# Allegro board HB1A-AAFM.brd (continued)
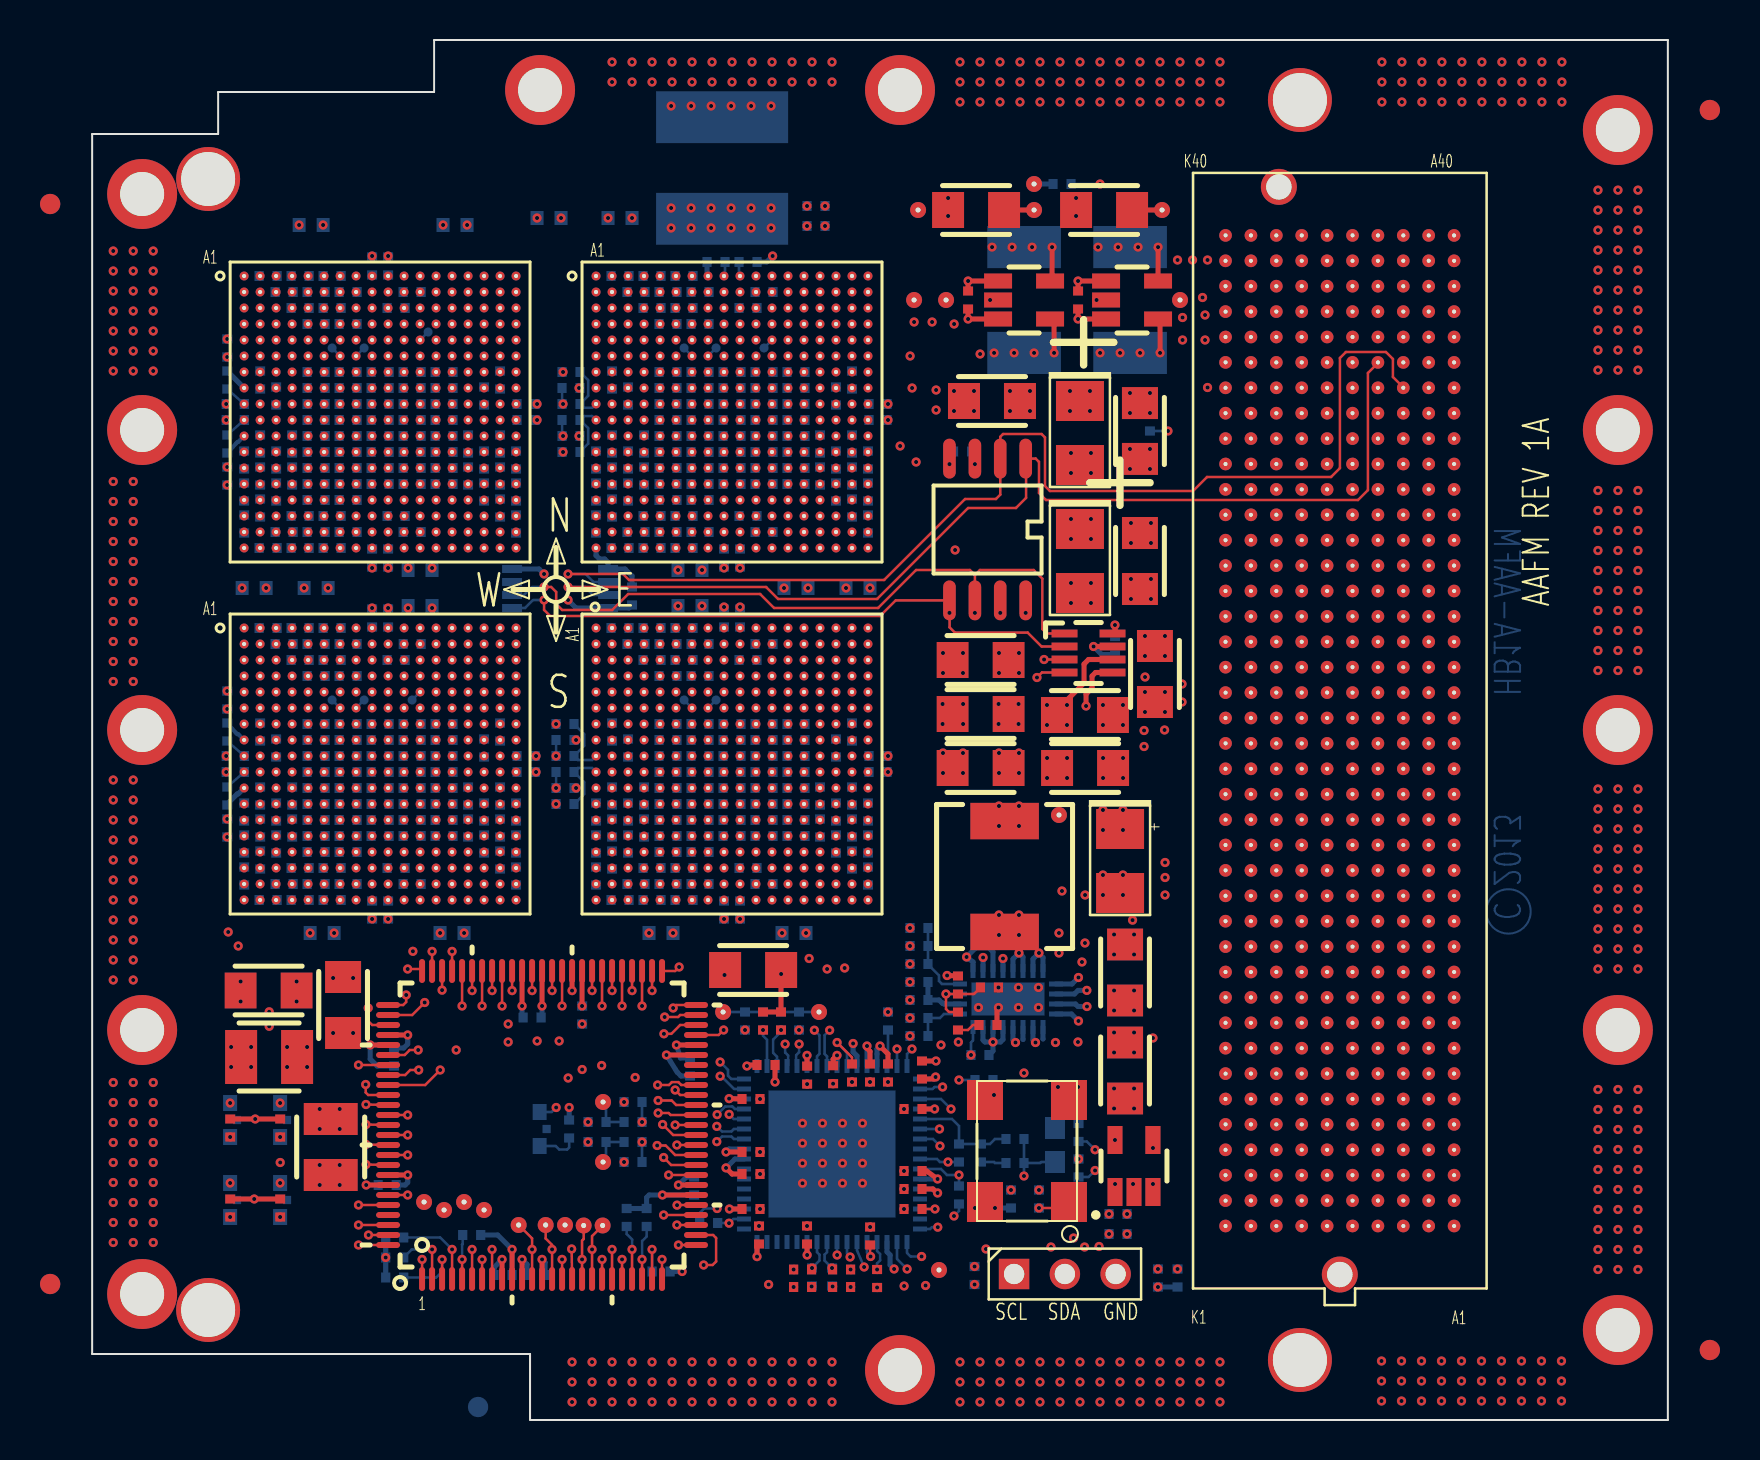
[diagram p0: board, top side]
## Routing (per net, layer and track width the routed paths; a pad name or vN(x,y) marks a point on that pad's centre or on a via; arc(x,y) is an arc through that point) (continued)
LR_LL_WE_WR_WAIT_N: length 31.6
  SIGNAL_L12-X w0.089: U8.J3 27,32.8 27.2,32.61 27.2,31.4 27.4,31.2 27.8,31.2 27.98,31.02 27.98,25.79 27.53,25.33 26.83,25.33 25.69,24.19 19.56,24.19 18.85,24.9 17.7,24.9 17,25.6 16.2,25.6 16,25.8 16,31 16.2,31.2 16.6,31.2 16.8,31.4 16.8,31.8 17,32 17.41,32 17.6,32.2 17.6,32.6 17.8,32.8 19.2,32.8 U7.K16
LR_LL_WE_WR_WAIT_P: length 31.4
  SIGNAL_L5-X w0.114: U7.L16 19.2,31.4 19,31.2 17.82,31.2 17.6,30.98 17.6,25.61 17.8,25.41 17.8,24.8 18,24.6 18.2,24.6 18.3,24.7 18.3,25 18.4,25.09 19,25.09 19.28,24.8 19.28,23.93 19.67,23.54 26.25,23.54 27.2,24.49 27.2,24.89 27.32,25.02 27.59,25.02 27.7,25.14 27.7,25.38 27.59,25.5 27.32,25.5 27.2,25.61 27.2,28.6 27.4,28.8 27.8,28.8 28,29 28,30.2 27.8,30.4 27.4,30.4 27.2,30.6 27.2,33.6 U8.H3
LR_RESET_L: length 38.9
  TOP w0.127: U9.5 v1(18.5,8.03)
  SIGNAL_L4-Y w0.114: TP24.1 19.6,11.6 23,15 23.89,15 25.35,16.46 26.49,16.46 v1(27.16,17.12)
  SIGNAL_L11-Y w0.089: v1(18.5,8.03) 18.5,8.7 19.6,9.8 TP24.1
  SIGNAL_L12-X w0.089: v1(27.16,17.12) 27.66,17.12 28.08,17.55 30.25,17.55 31.03,18.32 31.03,22.43 33.6,25 33.6,35 33.41,35.2 U8.F11
  BOTTOM w0.127: v1(18.5,8.03) 18.5,8.77 18.53,8.8 R195.2
LR_RXI_EA_DATA_N_0: length 44.3
  SIGNAL_L15-X w0.114: U8.T18 42.05,27.6 42.63,27.02 42.85,27.02 42.97,27.14 42.97,27.91 43.09,28.02 43.33,28.02 43.45,27.91 43.45,27.14 43.57,27.02 43.81,27.02 43.93,27.14 43.93,27.91 44.05,28.02 44.29,28.02 44.41,27.91 44.41,27.14 44.53,27.02 44.77,27.02 44.89,27.14 44.89,27.91 45.01,28.02 45.25,28.02 45.37,27.91 45.37,27.14 45.49,27.02 45.73,27.02 45.85,27.14 45.85,27.91 45.97,28.02 46.21,28.02 46.33,27.91 46.33,27.14 46.45,27.02 46.69,27.02 46.81,27.14 46.81,27.91 46.93,28.02 47.17,28.02 47.29,27.91 47.29,27.14 47.41,27.02 47.65,27.02 47.77,27.14 47.77,27.91 47.89,28.02 48.13,28.02 48.25,27.91 48.25,27.14 48.37,27.02 48.93,27.02 49.25,26.7 52.35,26.7 52.66,27 52.66,27.78 52.53,27.9 50.9,27.9 50.78,28.02 50.78,28.26 50.9,28.38 52.53,28.38 52.66,28.5 52.66,28.88 55.66,31.88 56.94,31.88 57.44,32.38 57.44,39.66 57.95,40.17 P1.J25
LR_RXI_EA_DATA_N_1: length 44.3
  SIGNAL_L5-X w0.114: P1.F23 61.19,38.21 55.83,38.21 55.13,37.51 55.13,35.19 55.01,35.07 54.38,35.07 54.25,34.95 54.25,34.71 54.38,34.59 55.01,34.59 55.13,34.47 55.13,34.12 55.01,34 54.38,34 54.25,33.88 54.25,33.64 54.38,33.52 55.01,33.52 55.13,33.4 55.13,33 53.75,31.62 53.75,28.65 52.8,27.7 50.67,27.7 50.55,27.82 50.55,28 50.43,28.12 50.19,28.12 50.07,28 50.07,27.82 49.95,27.7 49.71,27.7 49.59,27.82 49.59,28 49.47,28.12 49.23,28.12 49.11,28 49.11,27.82 48.99,27.7 48.75,27.7 48.63,27.82 48.63,28 48.51,28.12 48.27,28.12 48.15,28 48.15,27.82 48.03,27.7 47.32,27.7 47.2,27.58 47.2,26.87 47.08,26.75 46.84,26.75 46.72,26.87 46.72,27.58 46.6,27.7 46.36,27.7 46.24,27.58 46.24,26.87 46.12,26.75 45.88,26.75 45.76,26.87 45.76,27.58 45.64,27.7 45.4,27.7 45.28,27.58 45.28,26.87 45.16,26.75 44.92,26.75 44.8,26.87 44.8,27.58 44.68,27.7 44.44,27.7 44.32,27.58 44.32,26.87 44.2,26.75 43.96,26.75 43.84,26.87 43.84,27.58 43.72,27.7 41.73,27.7 41.23,28.2 40.1,28.2 39.91,28 38.4,28 U8.R17
LR_RXI_EA_DATA_N_2: length 44.3
  SIGNAL_L5-X w0.114: P1.E22 62.24,37.16 55.62,37.16 55.43,36.97 55.43,32.77 54.1,31.45 54.1,27 53.84,26.73 49.32,26.73 49.13,26.93 48,26.93 47.3,26.23 43.32,26.23 43.2,26.34 43.2,27.13 43.08,27.25 42.84,27.25 42.72,27.13 42.72,26.34 42.6,26.23 42.36,26.23 42.24,26.34 42.24,27.13 42.12,27.25 41.88,27.25 41.76,27.13 41.76,26.34 41.64,26.23 41.23,26.23 40.94,26.51 40.94,27.63 40.82,27.75 40.58,27.75 40.46,27.63 40.46,26.84 40.34,26.73 40.1,26.73 39.98,26.84 39.98,27.63 39.86,27.75 39.49,27.75 38.96,27.21 37.84,27.21 37.61,27.44 37.61,27.47 37.58,27.5 37.58,28.82 U8.P16
LR_RXI_EA_DATA_N_3: length 44.3
  SIGNAL_L5-X w0.114: P1.F26 61.26,41.95 55.78,41.95 55.66,42.07 55.66,42.63 55.54,42.75 55.3,42.75 55.18,42.63 55.18,42.07 55.06,41.95 54.82,41.95 54.7,42.07 54.7,42.63 54.58,42.75 54.34,42.75 54.22,42.63 54.22,42.07 54.1,41.95 53.75,41.95 52.98,42.73 48.58,42.73 48.25,42.4 48.25,40.07 48.38,39.95 48.81,39.95 48.93,39.83 48.93,39.59 48.81,39.47 48.38,39.47 48.25,39.35 48.25,39.11 48.38,38.99 48.81,38.99 48.93,38.87 48.93,38.63 48.81,38.51 48.38,38.51 48.25,38.39 48.25,38.15 48.38,38.03 48.81,38.03 48.93,37.91 48.93,37.67 48.81,37.55 48.38,37.55 48.25,37.43 48.25,37.19 48.38,37.07 48.81,37.07 48.93,36.95 48.93,36.71 48.81,36.59 48.38,36.59 48.25,36.47 48.25,31.75 47.83,31.32 43.91,31.32 43.68,31.1 42.38,31.1 42.09,30.81 39.59,30.81 39.16,30.39 36.78,30.39 U8.N15
LR_RXI_EA_DATA_N_4: length 44.5
  SIGNAL_L5-X w0.114: P1.E25 62.48,39.62 54.53,39.62 53.66,40.5 50.38,40.5 49.53,39.65 49.53,38.28 49.65,38.16 51.26,38.16 51.38,38.05 51.38,37.8 51.26,37.69 50.76,37.69 50.64,37.56 50.64,37.02 50.52,36.9 50.28,36.9 50.16,37.02 50.16,37.56 50.04,37.69 49.65,37.69 49.53,37.56 49.53,36.62 50.1,36.05 50.1,35.06 49.98,34.94 49.62,34.94 49.5,34.82 49.5,34.58 49.62,34.46 49.98,34.46 50.1,34.34 50.1,34.1 49.98,33.98 49.62,33.98 49.5,33.86 49.5,33.62 49.62,33.5 49.98,33.5 50.1,33.38 50.1,29.1 49.78,28.77 47.68,28.77 47.08,29.38 47.08,29.9 46.83,30.15 44.88,30.15 44.35,29.62 42.43,29.62 42,29.2 U8.P18
LR_RXI_EA_DATA_N_5: length 44.6
  SIGNAL_L4-Y w0.114: P1.K29 55.21,45.26 54.3,44.35 52.58,44.35 52.41,44.17 52.41,40.25 52.03,39.88 52.03,31.77 51.83,31.57 50.48,31.57 49.66,30.75 v1(49.66,26.25)
  SIGNAL_L8-X w0.089: v1(49.66,26.25) 48.91,27 48.2,27 47.98,26.77 47.98,25.12 47.68,24.82 44.45,24.82 44.05,25.23 42.95,25.23 42.86,25.14 42.86,24.71 42.78,24.62 42.6,24.62 42.51,24.71 42.51,25.14 42.42,25.23 42.24,25.23 42.15,25.14 42.15,24.71 42.06,24.62 41.89,24.62 41.8,24.71 41.8,25.14 41.71,25.23 40.25,25.23 39.78,25.7 39.78,29.15 39.3,29.62 38.38,29.62 U8.N17
LR_RXI_EA_DATA_N_6: length 44.3
  SIGNAL_L4-Y w0.114: P1.J28 57.46,43.5 55.86,43.5 55.63,43.27 55.63,28.73 55.33,28.43 53.35,28.43 53.16,28.23 53.16,26.75 v1(53.66,26.25)
  SIGNAL_L8-X w0.089: U8.M16 37.62,30.38 39.43,30.38 40.1,29.7 40.1,26.15 40.5,25.75 47.25,25.75 47.55,26.05 47.55,26.95 47.98,27.38 49.28,27.38 49.91,26.75 53.16,26.75 v1(53.66,26.25)
LR_RXI_EA_DATA_N_7: length 44.4
  SIGNAL_L15-X w0.114: U8.L15 36.78,31.21 39.07,31.21 39.48,31.62 52.94,31.62 55.68,34.36 55.68,39.17 54.78,40.08 54.78,41.27 54.66,41.39 54.3,41.39 54.18,41.51 54.18,41.75 54.3,41.87 54.66,41.87 54.78,41.99 54.78,45.58 56.25,47.05 58.45,47.05 58.66,47.25 59.66,47.25 59.88,47.48 59.88,48.15 60.1,48.38 60.88,48.38 61.13,48.12 61.13,45.9 61.42,45.61 61.42,45.6 P1.F29
LR_RXI_EA_DATA_P_0: length 44.4
  SIGNAL_L15-X w0.114: P1.J24 58.48,38.38 62.16,38.38 62.41,38.12 62.41,28.38 62.16,28.12 55.41,28.12 55.03,28.5 54.35,28.5 54.13,28.27 54.13,25.85 53.73,25.45 51.48,25.45 50.8,24.77 42.08,24.77 40.81,26.04 40.64,26.04 39.95,25.35 39.78,25.35 39.61,25.52 39.61,25.69 40.3,26.38 40.3,26.55 40.05,26.8 U8.U18
LR_RXI_EA_DATA_P_1: length 44.3
  SIGNAL_L15-X w0.114: U8.T17 38.38,27.21 40.74,27.21 41.03,26.92 41.2,26.92 41.59,27.31 41.77,27.31 41.94,27.14 41.94,26.97 41.54,26.58 41.54,26.41 42.3,25.65 42.8,25.65 42.92,25.77 42.92,26.55 43.04,26.68 43.28,26.68 43.4,26.55 43.4,25.77 43.52,25.65 43.76,25.65 43.88,25.77 43.88,26.55 44,26.68 44.24,26.68 44.36,26.55 44.36,25.77 44.48,25.65 44.72,25.65 44.84,25.77 44.84,26.55 44.96,26.68 45.2,26.68 45.32,26.55 45.32,25.77 45.44,25.65 45.68,25.65 45.8,25.77 45.8,26.55 45.92,26.68 46.16,26.68 46.28,26.55 46.28,25.77 46.4,25.65 46.64,25.65 46.76,25.77 46.76,26.55 46.88,26.68 47.12,26.68 47.24,26.55 47.24,25.77 47.36,25.65 51.16,25.65 51.28,25.77 52.95,25.77 53.2,26.02 53.2,28.65 53.43,28.88 55.41,28.88 55.91,29.38 60.91,29.38 61.16,29.62 61.16,35.75 61.76,36.35 P1.F22
LR_RXI_EA_DATA_P_2: length 44.6
  SIGNAL_L5-X w0.114: U8.R16 37.18,28.4 36.81,28.04 36.81,26.61 37.04,26.39 39.47,26.39 39.59,26.27 39.59,25.7 39.71,25.57 39.95,25.57 40.07,25.7 40.07,26.27 40.19,26.39 40.43,26.39 40.55,26.27 40.55,25.7 40.67,25.57 41.66,25.57 41.77,25.45 41.77,24.32 41.89,24.2 42.13,24.2 42.25,24.32 42.25,25.45 42.38,25.57 42.61,25.57 42.73,25.45 42.73,24.32 42.85,24.2 43.09,24.2 43.22,24.32 43.22,25.45 43.33,25.57 44.55,25.57 44.83,25.85 47.5,25.85 47.8,25.55 53.7,25.55 55.05,26.9 55.05,31.55 55.75,32.25 55.75,35.48 56.03,35.75 62.38,35.75 P1.E21
LR_RXI_EA_DATA_P_3: length 44.6
  SIGNAL_L5-X w0.114: U8.P15 36.78,29.59 39.62,29.59 39.74,29.7 39.74,30.28 39.86,30.4 40.1,30.4 40.22,30.28 40.22,29.7 40.34,29.59 40.58,29.59 40.7,29.7 40.7,30.28 40.82,30.4 41.06,30.4 41.18,30.28 41.18,29.7 41.3,29.59 41.72,29.59 42.16,30.02 42.46,30.02 42.58,30.14 42.58,30.53 42.7,30.65 42.94,30.65 43.06,30.53 43.06,30.14 43.18,30.02 44.12,30.02 44.28,30.18 44.28,30.35 44.08,30.55 44.08,30.72 44.25,30.89 44.42,30.89 44.62,30.69 44.79,30.69 45.19,31.09 46.51,31.09 46.53,31.07 48.91,31.07 49.23,31.4 49.23,40.23 49.43,40.42 49.43,42 49.68,42.25 50.41,42.25 51.16,41.5 53.18,41.5 53.8,40.88 54.52,40.88 54.64,40.99 54.64,41.51 54.76,41.62 55,41.62 55.12,41.51 55.12,40.99 55.24,40.88 55.48,40.88 55.6,40.99 55.6,41.51 55.72,41.62 55.96,41.62 56.08,41.51 56.08,40.99 56.2,40.88 61.06,40.88 P1.F25
LR_RXI_EA_DATA_P_4: length 44.4
  SIGNAL_L5-X w0.114: P1.E24 62.55,38.43 55.22,38.43 53.98,39.67 51.98,39.67 51.75,39.45 51.75,36.7 51.08,36.02 51.08,28.82 50.73,28.48 47.98,28.48 47.55,28.05 47.17,28.05 47.05,28.17 47.05,28.53 46.93,28.65 46.69,28.65 46.57,28.53 46.57,28.17 46.45,28.05 45.92,28.05 45.8,28.17 45.8,29 45.68,29.12 45.44,29.12 45.32,29 45.32,28.17 45.2,28.05 44.96,28.05 44.84,28.17 44.84,29 44.72,29.12 44.48,29.12 44.36,29 44.36,28.17 44.24,28.05 44,28.05 43.88,28.17 43.88,29 43.76,29.12 43.52,29.12 43.4,29 43.4,28.17 43.28,28.05 43.04,28.05 42.92,28.17 42.92,29 42.8,29.12 42.56,29.12 42.44,29 42.44,28.17 42.32,28.05 41.93,28.05 41.2,28.77 39.8,28.77 39.43,28.4 U8.R18
LR_RXI_EA_DATA_P_5: length 44.4
  SIGNAL_L4-Y w0.114: v1(52.03,24.99) 52.03,25.42 52.15,25.54 52.66,25.54 52.78,25.66 52.78,25.9 52.66,26.02 52.15,26.02 52.03,26.14 52.03,26.38 52.15,26.5 52.66,26.5 52.78,26.62 52.78,26.86 52.66,26.98 52.15,26.98 52.03,27.1 52.03,27.34 52.15,27.46 52.66,27.46 52.78,27.58 52.78,28.13 52.66,28.25 52.08,28.25 51.95,28.37 51.95,28.61 52.08,28.73 52.66,28.73 52.78,28.85 52.78,29.27 54.1,30.6 54.1,33.45 55.23,34.58 55.23,43.59 55.63,43.99 P1.K28
  SIGNAL_L8-X w0.089: v1(52.03,24.99) 51.66,24.99 51.65,25 51.03,25 50.45,24.43 49.38,24.43 48.78,23.82 44.63,23.82 44.28,24.18 40.28,24.18 39.43,25.02 39.43,28.45 39.13,28.75 39.13,28.77 38.43,28.77 U8.P17
LR_RXI_EA_DATA_P_6: length 44.5
  SIGNAL_L15-X w0.114: U8.N16 37.28,30 37.7,29.59 39.05,29.59 39.38,29.25 39.83,29.25 39.95,29.13 39.95,28.09 40.08,27.98 40.31,27.98 40.44,28.09 40.44,29.13 40.55,29.25 40.8,29.25 40.91,29.13 40.91,28.09 41.03,27.98 41.27,27.98 41.39,28.09 41.39,29.13 41.52,29.25 41.75,29.25 41.88,29.13 41.88,28.09 41.99,27.98 42.23,27.98 42.35,28.09 42.35,29.13 42.47,29.25 42.8,29.25 42.92,29.13 42.92,28.55 43.04,28.43 43.28,28.43 43.4,28.55 43.4,29.13 43.52,29.25 43.76,29.25 43.88,29.13 43.88,28.55 44,28.43 44.24,28.43 44.36,28.55 44.36,29.13 44.48,29.25 44.72,29.25 44.84,29.13 44.84,28.55 44.96,28.43 45.2,28.43 45.32,28.55 45.32,29.13 45.44,29.25 45.68,29.25 45.8,29.13 45.8,28.55 45.92,28.43 48.78,28.43 48.9,28.3 48.9,27.95 49.02,27.82 49.26,27.82 49.38,27.95 49.38,28.3 49.5,28.43 50.1,28.43 50.43,28.75 51.66,28.75 56.16,33.25 56.97,33.25 57.22,33.5 57.22,41.99 P1.J27
LR_RXI_EA_DATA_P_7: length 44.5
  SIGNAL_L15-X w0.114: U8.M15 36,31.2 34.58,31.2 34.38,31 34.38,29.84 34.64,29.59 36.56,29.59 36.78,29.81 36.78,30.18 36.99,30.39 39.02,30.39 39.9,31.27 43.84,31.27 43.96,31.15 43.96,30.82 44.08,30.7 44.32,30.7 44.44,30.82 44.44,31.15 44.56,31.27 53.18,31.27 55.93,34.02 55.93,44.27 56.28,44.62 61.12,44.62 P1.F28
LR_RXI_EA_FRAME_N: length 44.5
  SIGNAL_L4-Y w0.114: P1.E28 62.39,43.35 61.45,43.35 61.23,43.12 61.23,42.25 61,42.02 60.2,42.02 59.93,42.3 59.93,42.9 59.63,43.2 56.3,43.2 56.05,42.95 56.05,27.9 55.35,27.2 54.33,27.2 v1(53.66,27.88)
  SIGNAL_L8-X w0.089: v1(53.66,27.88) 53.28,28.25 42.78,28.25 39.8,31.23 38.37,31.23 U8.L17
LR_RXI_EA_FRAME_P: length 44.3
  SIGNAL_L5-X w0.114: U8.M17 38.39,31.19 41.92,31.19 42.18,31.45 43.48,31.45 43.7,31.68 46.93,31.68 47.28,32.02 47.28,36.27 46.78,36.77 46.78,37.88 47.88,38.98 47.88,42.08 47.6,42.35 45.58,42.35 45.35,42.58 45.35,42.91 45.69,43.24 45.69,43.55 45.81,43.67 46.05,43.67 46.17,43.55 46.17,43.24 46.29,43.12 46.53,43.12 46.65,43.24 46.65,43.55 46.77,43.67 47.01,43.67 47.13,43.55 47.13,43.24 47.25,43.12 47.51,43.12 47.63,43.24 47.63,43.41 47.75,43.52 47.99,43.52 48.11,43.41 48.11,43.24 48.23,43.12 48.47,43.12 48.59,43.24 48.59,43.41 48.71,43.52 48.95,43.52 49.07,43.41 49.07,43.24 49.19,43.12 56.03,43.12 56.13,43.23 62.52,43.23 P1.E27
LR_RXI_EA_LCLK_N: length 44.4
  SIGNAL_L4-Y w0.114: P1.K26 57.3,40.83 57.3,27.05 57.05,26.8 53.98,26.8 v1(53.66,27.12)
  SIGNAL_L8-X w0.089: U8.M18 39.73,30.8 40.45,30.07 40.45,26.27 40.7,26.02 41.16,26.02 41.25,26.11 41.25,26.71 41.33,26.8 41.51,26.8 41.6,26.71 41.6,26.11 41.69,26.02 41.87,26.02 41.96,26.11 41.96,26.71 42.05,26.8 42.22,26.8 42.31,26.71 42.31,26.11 42.4,26.02 42.58,26.02 42.67,26.11 42.67,26.71 42.76,26.8 42.94,26.8 43.03,26.71 43.03,26.11 43.11,26.02 43.29,26.02 43.38,26.11 43.38,26.71 43.47,26.8 43.65,26.8 43.74,26.71 43.74,26.11 43.83,26.02 46.88,26.02 47.18,26.32 47.18,27.2 47.6,27.62 53.16,27.62 v1(53.66,27.12)
LR_RXI_EA_LCLK_P: length 44.4
  SIGNAL_L15-X w0.114: P1.K25 56.18,39.68 56.18,33.77 53.41,31 52.74,31 52.62,30.88 52.62,30.36 52.5,30.24 52.26,30.24 52.14,30.36 52.14,30.88 52.02,31 49.78,31 49.66,30.88 49.66,28.89 49.54,28.77 49.3,28.77 49.18,28.89 49.18,29.07 49.06,29.19 47.45,29.19 47.33,29.31 47.33,29.55 47.45,29.67 49.06,29.67 49.18,29.79 49.18,30.88 49.06,31 47.78,31 46.98,30.2 45.16,30.2 44.53,29.57 43.65,29.57 43.53,29.7 43.53,30.8 43.41,30.93 43.17,30.93 43.05,30.8 43.05,29.7 42.93,29.57 42.69,29.57 42.57,29.7 42.57,30.8 42.45,30.93 42.21,30.93 42.09,30.8 42.09,29.7 41.97,29.57 41.73,29.57 41.61,29.7 41.61,30.8 41.49,30.93 41.25,30.93 41.13,30.8 41.13,29.7 41.01,29.57 40.77,29.57 40.65,29.7 40.65,30.8 40.53,30.93 40.29,30.93 40.17,30.8 40.17,29.7 40.05,29.57 39.68,29.57 39.25,30 U8.N18
LR_RXO_EA_RD_WAIT_N: length 44.4
  SIGNAL_L15-X w0.114: U8.J17 38.41,33.61 39.09,33.61 39.28,33.8 39.28,34.85 39.78,35.35 49.23,35.35 49.35,35.23 51.91,35.23 52.18,34.95 54.3,34.95 54.91,35.55 54.91,37.12 54.62,37.41 53.64,37.41 53.18,37.88 53.18,38.48 52.93,38.73 52,38.73 51.78,38.95 51.78,40.17 51.43,40.52 51.43,43.16 51.31,43.28 50.72,43.28 50.6,43.4 50.6,43.64 50.72,43.76 51.31,43.76 51.43,43.88 51.43,44.35 51.31,44.47 50.8,44.47 50.68,44.59 50.68,44.83 50.8,44.95 51.31,44.95 51.43,45.07 51.43,45.31 51.31,45.43 50.8,45.43 50.68,45.55 50.68,45.79 50.8,45.91 51.31,45.91 51.43,46.03 51.43,46.27 51.31,46.39 50.8,46.39 50.68,46.51 50.68,46.75 50.8,46.87 51.31,46.87 51.43,46.99 51.43,47.8 51.7,48.08 53.7,48.08 54.7,49.07 P1.K32
LR_RXO_EA_RD_WAIT_P: length 44.5
  SIGNAL_L15-X w0.114: P1.K31 54.85,47.8 54.61,47.56 54.61,47.39 55.22,46.78 55.22,46.62 55.05,46.45 54.88,46.45 54.27,47.05 54.1,47.05 53.45,46.4 53.45,45.98 53.57,45.86 54.34,45.86 54.45,45.74 54.45,45.5 54.34,45.38 53.57,45.38 53.45,45.26 53.45,45.02 53.57,44.9 54.34,44.9 54.45,44.78 54.45,44.54 54.34,44.42 53.57,44.42 53.45,44.3 53.45,44.06 53.57,43.94 54.34,43.94 54.45,43.82 54.45,43.58 54.34,43.46 53.57,43.46 53.45,43.34 53.45,43.1 53.57,42.98 54.34,42.98 54.45,42.86 54.45,42.62 54.34,42.5 53.57,42.5 53.45,42.38 53.45,40.75 55.43,38.77 55.43,34.59 53.47,32.62 47.16,32.62 46.91,32.88 42,32.88 41.88,32.75 41.88,32.67 41.76,32.55 41.52,32.55 41.4,32.67 41.4,32.75 41.28,32.88 40.93,32.88 40.05,32 38.4,32 U8.K17
LR_RXO_EA_WR_WAIT_N: length 44.4
  SIGNAL_L15-X w0.114: U8.K16 37.59,32.79 39.12,32.79 39.3,32.98 39.3,33.35 39.7,33.74 40.26,33.74 40.38,33.62 40.38,33.27 40.5,33.15 40.74,33.15 40.86,33.27 40.86,33.62 40.98,33.74 41.22,33.74 41.34,33.62 41.34,33.27 41.46,33.15 41.7,33.15 41.82,33.27 41.82,33.62 41.94,33.74 43.97,33.74 44.09,33.62 44.09,33.37 44.21,33.25 44.45,33.25 44.57,33.37 44.57,33.62 44.69,33.74 51.66,33.74 52.16,33.25 53.62,33.25 55.18,34.8 55.18,38.52 53.98,39.73 52.85,39.73 52.43,40.15 52.43,42.62 52.31,42.74 51.92,42.74 51.8,42.86 51.8,43.1 51.92,43.22 52.31,43.22 52.43,43.34 52.43,45.41 52.31,45.52 52,45.52 51.88,45.65 51.88,45.88 52,46.01 52.31,46.01 52.43,46.12 52.43,46.75 52.84,47.16 53.69,47.16 55.25,48.73 55.95,48.73 56.3,48.38 57.38,48.38 P1.J31
LR_RXO_EA_WR_WAIT_P: length 44.5
  SIGNAL_L5-X w0.114: U8.L16 37.58,31.98 41.41,31.98 42.25,32.83 46.6,32.83 46.85,33.08 46.85,36.05 45.88,37.02 45.88,41.52 45.48,41.92 45.25,41.92 45.03,42.15 45.03,44.49 45.45,44.92 45.45,45.18 45.58,45.3 45.81,45.3 45.94,45.18 45.94,44.92 46.05,44.8 46.28,44.8 46.41,44.68 46.41,44.34 46.52,44.23 46.77,44.23 46.88,44.34 46.88,44.68 47,44.8 47.24,44.8 47.36,44.68 47.36,44.34 47.48,44.23 47.72,44.23 47.84,44.34 47.84,44.68 47.96,44.8 48.25,44.8 48.5,44.55 51.2,44.55 51.41,44.35 53.28,44.35 54.13,43.5 59.5,43.5 59.73,43.73 59.73,45.6 59.41,45.92 59.05,45.92 58.45,46.53 P1.J30
LR_SCLKI_XID1: length 37
  TOP w0.127: U9.88 v1(13.7,14.78)
  SIGNAL_L5-X w0.114: v1(20.8,18.9) 20.8,18.2 17.35,14.75 v1(13.7,14.78)
  SIGNAL_L8-X w0.089: v1(20.8,18.9) 21.33,19.43 21.33,20.12 21.03,20.43 21.03,20.88 21.5,21.35 21.5,22.85 22.16,23.5 29.65,23.5 31.2,25.05 31.2,36 30.8,36.4 U8.E8
LR_SCLKO_YID1: length 38.8
  TOP w0.127: U9.92 v1(13.7,12.78)
  SIGNAL_L5-X w0.114: v1(23.35,18.95) 23.35,18.55 17.55,12.75 v1(13.7,12.78)
  SIGNAL_L8-X w0.089: U8.E11 33.2,36.4 33.6,36 33.6,23.5 31.9,21.8 30.7,21.8 30.18,21.27 28.9,21.27 26.58,18.95 v1(23.35,18.95)
LR_SDI_XID2: length 35.8
  TOP w0.127: U9.89 v1(15.78,14.25)
  SIGNAL_L4-Y w0.114: v1(23.8,17.1) 19.1,17.1 16.25,14.25 v1(15.78,14.25)
  SIGNAL_L12-X w0.089: v1(23.8,17.1) 26.5,17.1 27.2,17.8 30.05,17.8 30.73,18.48 30.73,22.52 32.8,24.6 32.8,35.2 32.41,35.6 U8.F10
LR_SDO_YID2: length 36.9
  TOP w0.127: U9.95 v1(15.78,11.25)
  SIGNAL_L4-Y w0.114: v1(15.78,11.25) 16.68,12.15 16.68,13.35 19.74,16.41 24.17,16.41 24.5,16.75 v1(24.5,17.52)
  SIGNAL_L12-X w0.089: U8.E9 31.6,36.4 32,36 32,24.2 27.57,19.76 27.57,18.69 26.2,17.32 25.11,17.32 24.91,17.52 v1(24.5,17.52)
LR_TXI_EA_RD_WAIT_N: length 44.6
  SIGNAL_L12-X w0.089: U8.G17 38.42,34.38 39.88,34.38 40.23,34.02 40.23,33.8 40.32,33.71 41.89,33.71 41.98,33.62 41.98,33.45 41.89,33.36 40.32,33.36 40.23,33.27 40.23,33.09 40.32,33 41.89,33 41.98,32.91 41.98,32.73 41.89,32.64 40.32,32.64 40.23,32.55 40.23,32.38 40.32,32.29 41.89,32.29 41.98,32.2 41.98,32.02 41.89,31.93 40.32,31.93 40.23,31.84 40.23,31.48 40.32,31.39 41.32,31.39 41.41,31.31 41.41,31.13 41.32,31.04 40.32,31.04 40.23,30.95 40.23,30.77 40.32,30.68 41.32,30.68 41.41,30.59 41.41,30.42 41.32,30.33 40.32,30.33 40.23,30.24 40.23,28.9 41.5,27.62 41.97,27.62 42.06,27.71 42.06,28.51 42.15,28.6 42.33,28.6 42.41,28.51 42.41,27.71 42.5,27.62 42.68,27.62 42.77,27.71 42.77,28.51 42.86,28.6 43.04,28.6 43.13,28.51 43.13,27.71 43.22,27.62 43.39,27.62 43.48,27.71 43.48,28.51 43.57,28.6 43.75,28.6 43.84,28.51 43.84,27.71 43.93,27.62 52.03,27.62 53.03,26.62 54.53,26.62 54.95,26.21 P1.K14
LR_TXI_EA_RD_WAIT_P: length 44.8
  SIGNAL_L8-X w0.089: U8.H17 38.38,33.62 39.2,33.62 39.66,34.08 40.28,34.08 40.37,33.99 40.37,33.19 40.46,33.1 40.64,33.1 40.73,33.19 40.73,33.99 40.82,34.08 40.99,34.08 41.08,33.99 41.08,33.19 41.17,33.1 41.35,33.1 41.44,33.19 41.44,33.99 41.53,34.08 42.28,34.08 42.37,33.99 42.37,33.84 42.46,33.75 42.64,33.75 42.73,33.84 42.73,33.99 42.81,34.08 42.99,34.08 43.08,33.99 43.08,33.84 43.17,33.75 43.35,33.75 43.44,33.84 43.44,33.99 43.53,34.08 43.92,34.08 44.01,33.99 44.01,33.19 44.1,33.1 44.28,33.1 44.37,33.19 44.37,33.99 44.46,34.08 45.14,34.08 45.23,33.99 45.23,33.81 45.32,33.73 45.5,33.73 45.59,33.81 45.59,33.99 45.68,34.08 45.86,34.08 45.95,33.99 45.95,33.81 46.03,33.73 46.21,33.73 46.3,33.81 46.3,33.99 46.39,34.08 46.72,34.08 46.81,33.99 46.81,33.21 46.9,33.12 47.08,33.12 47.17,33.21 47.17,33.99 47.26,34.08 47.63,34.08 47.72,33.99 47.72,33.64 47.8,33.55 47.98,33.55 48.07,33.64 48.07,33.99 48.16,34.08 48.34,34.08 48.43,33.99 48.43,33.64 48.52,33.55 48.7,33.55 48.78,33.64 48.78,33.99 48.87,34.08 49.13,34.08 49.22,33.99 49.22,33.19 49.31,33.1 49.49,33.1 49.58,33.19 49.58,33.99 49.66,34.08 50.02,34.08 50.1,33.99 50.1,33.64 50.19,33.55 50.37,33.55 50.46,33.64 50.46,33.99 50.55,34.08 50.83,34.08 51.1,33.8 51.1,32.85 51.3,32.65 52.22,32.65 52.31,32.74 52.31,33.21 52.39,33.3 52.57,33.3 52.66,33.21 52.66,32.74 52.75,32.65 52.93,32.65 53.02,32.74 53.02,33.21 53.11,33.3 53.28,33.3 53.37,33.21 53.37,32.74 53.46,32.65 53.64,32.65 53.73,32.74 53.73,33.21 53.82,33.3 54,33.3 54.09,33.21 54.09,32.74 54.17,32.65 54.35,32.65 54.44,32.74 54.44,33.21 54.53,33.3 54.71,33.3 54.8,33.21 54.8,32.74 54.89,32.65 55.38,32.65 55.78,32.25 55.78,25.32 56.16,24.94 P1.K13
LR_TXI_EA_WR_WAIT_N: length 44.7
  SIGNAL_L8-X w0.089: P1.J13 57.38,24.38 56.18,24.38 55.41,25.15 55.41,29.75 55.32,29.84 53.39,29.84 53.3,29.93 53.3,30.11 53.39,30.2 55.32,30.2 55.41,30.28 55.41,30.46 55.32,30.55 53.39,30.55 53.3,30.64 53.3,30.82 53.39,30.91 55.32,30.91 55.41,31 55.41,31.3 55.03,31.68 54.75,31.68 54.66,31.76 54.66,32.29 54.57,32.38 54.4,32.38 54.31,32.29 54.31,31.76 54.22,31.68 54.04,31.68 53.95,31.76 53.95,32.29 53.86,32.38 53.69,32.38 53.6,32.29 53.6,31.76 53.51,31.68 53.33,31.68 53.24,31.76 53.24,32.29 53.15,32.38 52.97,32.38 52.88,32.29 52.88,31.76 52.8,31.68 52.62,31.68 52.53,31.76 52.53,32.29 52.44,32.38 52.26,32.38 52.17,32.29 52.17,31.76 52.08,31.68 51.2,31.68 51.03,31.85 51.03,32.4 50.83,32.6 49.77,32.6 49.68,32.51 49.68,31.91 49.59,31.82 49.41,31.82 49.33,31.91 49.33,32.51 49.24,32.6 47.41,32.6 47.23,32.77 44.64,32.77 44.55,32.69 44.55,32.09 44.46,32 44.28,32 44.19,32.09 44.19,32.69 44.1,32.77 37.84,32.77 37.57,33.05 37.57,33.63 U8.H16
LR_TXI_EA_WR_WAIT_P: length 45
  SIGNAL_L8-X w0.089: P1.J12 57.43,24.19 55.59,24.19 54.16,25.62 54.16,28.25 53.91,28.5 47.57,28.5 47.48,28.59 47.48,29.06 47.39,29.15 47.21,29.15 47.12,29.06 47.12,28.59 47.03,28.5 46.86,28.5 46.77,28.59 46.77,29.06 46.68,29.15 46.5,29.15 46.41,29.06 46.41,28.59 46.32,28.5 46.14,28.5 46.05,28.59 46.05,29.06 45.97,29.15 45.79,29.15 45.7,29.06 45.7,28.59 45.61,28.5 45.43,28.5 45.34,28.59 45.34,29.06 45.25,29.15 45.08,29.15 44.99,29.06 44.99,28.59 44.9,28.5 44.72,28.5 44.63,28.59 44.63,29.06 44.54,29.15 44.36,29.15 44.27,29.06 44.27,28.59 44.19,28.5 44.01,28.5 43.92,28.59 43.92,29.06 43.83,29.15 43.65,29.15 43.56,29.06 43.56,28.59 43.47,28.5 42.95,28.5 42.27,29.18 42.27,29.31 43.01,30.05 43.01,30.17 42.88,30.3 42.76,30.3 42.02,29.56 41.89,29.56 41.77,29.69 41.77,29.81 42.5,30.55 42.5,30.67 42.38,30.8 42.25,30.8 41.51,30.07 41.39,30.07 41.26,30.19 41.26,30.32 42,31.05 42,31.18 41.87,31.31 41.75,31.31 41.01,30.57 40.89,30.57 40.76,30.7 40.76,30.82 41.5,31.56 41.5,31.68 41.37,31.81 41.24,31.81 40.51,31.07 40.38,31.07 40.25,31.2 40.25,31.32 40.99,32.06 40.99,32.19 40.86,32.31 40.74,32.31 40,31.58 39.88,31.58 39.45,32 37.08,32 36.83,32.25 36.83,32.83 U8.J16
LR_TXO_EA_DATA_N_0: length 45
  SIGNAL_L5-X w0.114: v1(37.63,22.6) 37.1,22.07 36.55,22.07 36.35,22.27 36.35,24.62 35.73,25.25 35.41,25.25 35.22,25.44 35.22,34.19 35.42,34.4 36,34.4 36.4,34.8 U8.G15
  SIGNAL_L15-X w0.114: P1.E3 62.69,12.58 62.69,12.59 62.35,12.93 56.58,12.93 54.93,13.48 54.86,13.63 54.92,13.8 54.84,13.95 54.61,14.03 54.46,13.96 54.4,13.78 54.25,13.71 47.3,16.04 47.24,16.09 43.75,19.45 42.6,19.45 41.53,20.52 40.58,20.52 40.13,20.98 39.25,20.98 v1(37.63,22.6)
LR_TXO_EA_DATA_N_1: length 45.1
  SIGNAL_L8-X w0.089: U8.F16 37.2,35.59 37.58,35.2 39.63,35.2 39.99,35.56 40.12,35.56 40.52,35.16 40.64,35.16 40.77,35.29 40.77,35.42 40.37,35.81 40.37,35.94 40.8,36.38 41.11,36.38 41.2,36.29 41.2,35.74 41.29,35.65 41.47,35.65 41.55,35.74 41.55,36.29 41.64,36.38 44,36.38 44.09,36.29 44.09,35.91 44.18,35.83 44.36,35.83 44.45,35.91 44.45,36.29 44.54,36.38 50.83,36.38 51.1,36.1 51.1,35.48 51.33,35.25 51.83,35.25 v1(52.6,34.48)
  SIGNAL_L14-Y w0.114: v1(52.6,34.48) 53.13,33.95 53.13,32.02 52.53,31.43 50.48,31.43 50.13,31.07 50.13,25.52 50.88,24.77 51.41,24.77 51.63,24.55 51.63,22.6 52.55,21.68 52.55,18.62 52.78,18.4 53.66,18.4 54.08,17.98 56.06,17.98 P1.K8
LR_TXO_EA_DATA_N_2: length 44.7
  SIGNAL_L7-Y w0.089: v1(42.45,18.75) 42.45,19.12 42.45,19.13 42.45,20.85 41.88,21.43 40.35,21.43 39.6,22.18 39.6,22.46 39.69,22.55 40.24,22.55 40.33,22.64 40.33,22.82 40.24,22.91 39.69,22.91 39.6,23 39.6,23.17 39.69,23.26 40.24,23.26 40.33,23.35 40.33,23.53 40.24,23.62 39.69,23.62 39.6,23.71 39.6,23.89 39.69,23.97 40.24,23.97 40.33,24.06 40.33,24.24 40.24,24.33 39.69,24.33 39.6,24.42 39.6,24.6 39.69,24.69 40.24,24.69 40.33,24.77 40.33,24.95 40.24,25.04 39.69,25.04 39.6,25.13 39.6,25.31 39.69,25.4 40.24,25.4 40.33,25.49 40.33,25.66 40.24,25.75 39.69,25.75 39.6,25.84 39.6,31.5 40.23,32.12 40.23,33.7 39.63,34.3 39.63,35.7 39.33,36 38.4,36 U8.E17
  SIGNAL_L8-X w0.089: P1.J7 57.95,17.3 57.49,16.84 56.46,16.84 55.9,17.4 53.85,17.4 53.75,17.5 47.2,17.5 46.96,17.74 45.89,17.74 45.65,17.5 43.6,17.5 43.35,17.75 43.35,18.3 42.9,18.75 v1(42.45,18.75)